# Altium PCB INVERTER.PcbDoc (continued)
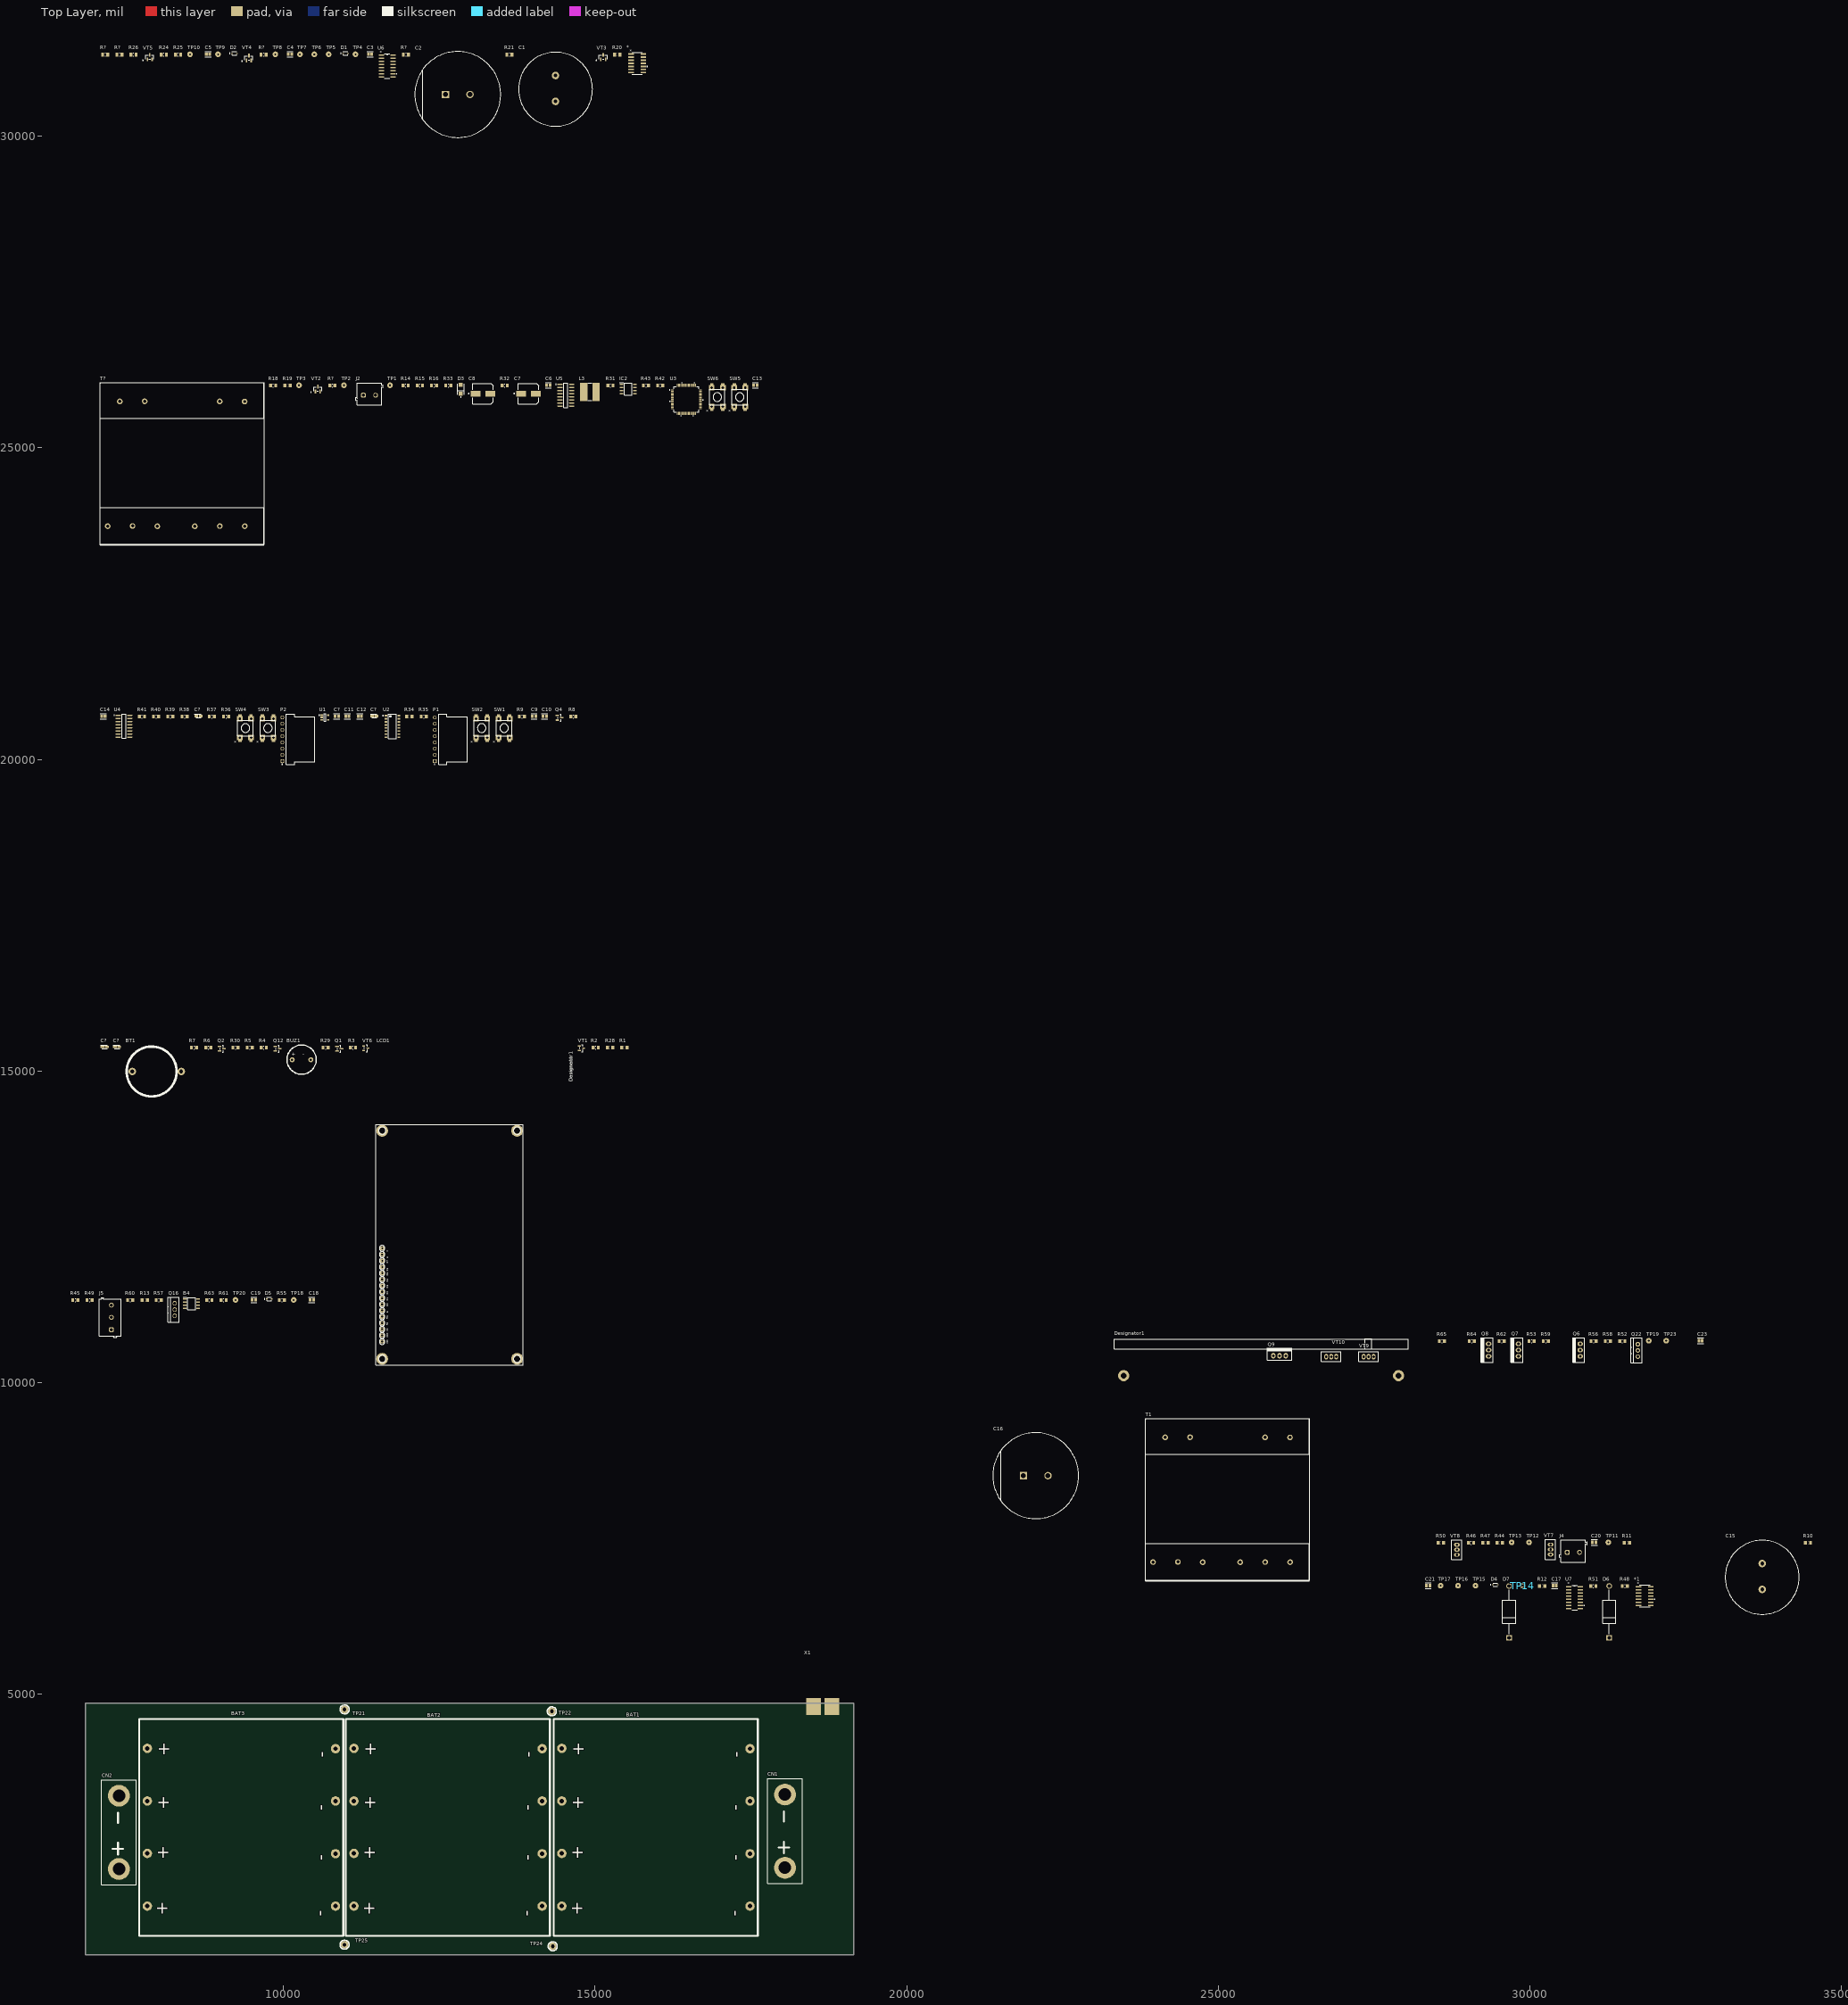
[diagram p0: Top Layer view]
## Components (designator, comment, footprint, x,y, rotation, side; value= is the part's Value field where it differs from the comment) (continued)
TP18 "Test_Point_PCB" Test_Point 10164.63,11330 r90 top
TP19 "Test_Point_PCB" Test_Point 31904.63,10675 r90 top
TP20 "Test_Point_PCB" Test_Point 9229.63,11330 r90 top
TP21 "Test_Point_PCB" TEST_POINT_CONN 10980,4760 r90 top
TP22 "Test_Point_PCB" TEST_POINT_CONN 14305,4730 r90 top
TP23 "Test_Point_PCB" Test_Point 32184.63,10675 r90 top
TP24 "Test_Point_PCB" TEST_POINT_CONN 14320,960 r0 top
TP25 "Test_Point_PCB" TEST_POINT_CONN 10980,985 r0 top
U1 "MIC5219-3_3YM5-TR" Microchip_SOT23-5LD-PL-1_MFG 10665,20675 r0 top
U2 "MC74HC595ADG" On_Semiconductor_751B-05_MFG 11745,20530 r0 top
U3 "STM32F405RGT6" LQFP64-10x10mm 16465,25780 r0 top
U4 "MC74HC595ADG" On_Semiconductor_751B-05_IPC_B 7440,20535 r0 top
U5 "MC74HC595ADG" On_Semiconductor_751B-05_IPC_B 14530,25845 r0 top
U6 "TL494ID" D16 11665,31125 r0 top
U7 "TL494ID" D16 30714.63,6555 r0 top
VT1 "BC857" On_Semiconductor_318-08_IPC_C 14780,15370 r0 top
VT2 "PMBTA06" SOT-23_ONS-M 10550,25945 r0 top
VT3 "MMBT2907" SOT-23_ONS 15130,31270 r0 top
VT4 "PMBTA06" SOT-23_ONS-M 9445,31255 r0 top
VT5 "MMBT2907" SOT-23_ONS 7855,31270 r0 top
VT6 "BC857" On_Semiconductor_318-08_IPC_C 11320,15370 r0 top
VT7 "BD139" BD139_TO-126_BEND 29684.63,7345 r90 top
VT8 "BD140" BD140_TO-126_BEND 28809.63,7320 r90 top
VT9 "BD139" BD139_TO-126_BEND 27430,11065 r0 top
VT10 "BD140" BD140_TO-126_BEND 26808,10437 r0 top
X1 "XT60-F" "XT60-F AMASS" 18650,4815 r0 top

## Footprints (in the part's own frame and the unit in brackets; to place one, negate y for a bottom-side part, rotate by r counter-clockwise, add the part's x,y. Pads: shape width x height; smd on the part's side, far side on the other; paste and mask are expansions set on the pad)
21700_BAT [mil]
  round 150 hole 70: 1(-465,830) 2(-465,-2190) 3(380,830) 4(375,-2190) 5(1220,830) 6(1220,-2190) 7(2065,830) 8(2060,-2190)
  silkscreen extent -940,-2315 2535,960, body extent -932,-2315 2532,953, height 858
61900811021 [mm] "2.54mm Male Left Angled Header Bottom Locking, 8p"
  rect 1.5x1.5 hole 1: 1(-8.89,7.45)
  round 1.5 hole 1: 2(-6.35,7.45) 3(-3.81,7.45) 4(-1.27,7.45) 5(1.27,7.45) 6(3.81,7.45) 7(6.35,7.45) 8(8.89,7.45)
  silkscreen extent -10.34,-5.82 10.33,7.62, body extent -10.17,-5.75 10.15,7.77, height 5.83
691101710002 [mm] "5,00mm - modular - blue - Horizontal entry with pressure clamp - 12,6mm height - 02p"
  rrect50% 1.95x1.95 hole 1.3: 1(-2.5,-0.5)
  round 1.95 hole 1.3: 2(2.5,-0.5)
  silkscreen extent -5.6,-4.5 5.6,4.5, body extent -5.6,-4.5 5.6,4.5, height 12.65
691101710003 [mm] "5,00mm - modular - blue - Horizontal entry with pressure clamp - 12,6mm height - 03p"
  rrect50% 1.95x1.95 hole 1.3: 1(-5,-0.5)
  round 1.95 hole 1.3: 2(0,-0.5) 3(5,-0.5)
  silkscreen extent -8.1,-4.5 8.1,4.5, body extent -8.1,-4.5 8.1,4.5, height 12.65
Batarey_connector [mil]
  round 350 hole 200: 1(20,-20) 2(1195,-20)
  silkscreen extent -235,-300 1450,260
BD139_TO-126_BEND [mil]
  oval 60x90 hole 40: 1(60,-645) 2(-20,-645) 3(-100,-645)
  silkscreen extent -178,-725 139,-562, body extent -177,-672 137,-530, height 917
BD140_TO-126_BEND [mil]
  oval 60x90 hole 40: 1(82,-17) 2(2,-17) 3(-78,-17)
  silkscreen extent -156,-97 161,66, body extent -155,-44 159,98, height 917
BUZZER [mil]
  round 80 hole 35: 1(-160,-95) 2(140,-95)
  silkscreen extent -245,-330 225,140, body extent -245,-331 227,141, height 374
"CAP 330uF 450V" [mil]
  round 120 hole 60: 9(355,-15) 10(355,-430)
  silkscreen extent -239,-829 949,359, body extent -239,-818 951,374, height 2040
CAPPM2014X140N [mm]
  rect 1.5x1.05 smd: 1(-0.9,0) 2(0.9,0)
  silkscreen extent -1.65,-0.67 1.02,0.67, body extent -1.02,-0.67 1.02,0.67, height 1.4
CR2032_BAT [mil]
  round 120 hole 60: 1(-310,0) 2(475,0)
  silkscreen extent -400,-400 400,400, body extent -432,-435 525,439, height 350
D14-M [mm]
  rect 2.27x0.558 smd paste+0 mask+0: 1(-2.514,3.81) 2(-2.514,2.54) 3(-2.514,1.27) 4(-2.514,0) 5(-2.514,-1.27) 6(-2.514,-2.54) 7(-2.514,-3.81) 8(2.514,-3.81) 9(2.514,-2.54) 10(2.514,-1.27) 11(2.514,0) 12(2.514,1.27) 13(2.514,2.54) 14(2.514,3.81)
  silkscreen extent -2.12,-4.5 4.16,4.5, body extent -3.1,-4.37 3.1,4.37, height 1.76
D16 [mil]
  rect 86x22 smd: 1(-93,175) 2(-93,125) 3(-93,75) 4(-93,25) 5(-93,-25) 6(-93,-75) 7(-93,-125) 8(-93,-175) 9(93,-175) 10(93,-125) 11(93,-75) 12(93,-25) 13(93,25) 14(93,75) 15(93,125) 16(93,175)
  silkscreen extent -43,-197 156,197, body extent -122,-197 122,197, height 69
Diodes_Inc._SOD323F_MFG [mm]
  rect 0.71x0.403 smd paste+0 mask+0: 1(-0.995,0) 2(0.995,0)
  silkscreen extent -2.05,-0.67 0.9,0.67, body extent -1.45,-0.77 1.45,0.77, height 0.25
KEMET_C0805C-DN_IPC_C [mil]
  rect 43.49x53.39 smd paste+0 mask+0: 1(-27.59,0) 2(27.59,0)
  silkscreen extent -49,-44 49,44, body extent -53,-32 53,32, height 10
LCD20x4 [mil]
  oval 60x80 hole 30: 1(-12460,-1353) 2(-12360,-1353) 3(-12260,-1353) 4(-12161,-1353) 5(-12060,-1353) 6(-11960,-1353) 7(-11860,-1353) 8(-11761,-1353) 9(-11660,-1353) 10(-11561,-1354) 11(-11460,-1353) 12(-11360,-1354) 13(-11261,-1354) 14(-11160,-1354) 15(-11061,-1353) 16(-10961,-1354)
  round 190 hole 100: GND(-12735,-3518) GND(-12735,-1354) GND(-9075,-3518) GND(-9075,-1354)
  silkscreen extent -12834,-3617 -8976,-1255, body extent -12834,-3617 -8976,-1255, height 705
LQFP64-10x10mm [mil]
  rect 47x12 smd paste+0 mask+0: 1(-226.38,147.64) 2(-226.38,127.95) 3(-226.38,108.27) 4(-226.38,88.58) 5(-226.38,68.9) 6(-226.38,49.21) 7(-226.38,29.53) 8(-226.38,9.84) 9(-226.38,-9.84) 10(-226.38,-29.53) 11(-226.38,-49.21) 12(-226.38,-68.9) 13(-226.38,-88.58) 14(-226.38,-108.27) 15(-226.38,-127.95) 16(-226.38,-147.64) 33(226.38,-147.64) 34(226.38,-127.95) 35(226.38,-108.27) 36(226.38,-88.58) 37(226.38,-68.9) 38(226.38,-49.21) 39(226.38,-29.53) 40(226.38,-9.84) 41(226.38,9.84) 42(226.38,29.53) 43(226.38,49.21) 44(226.38,68.9) 45(226.38,88.58) 46(226.38,108.27) 47(226.38,127.95) 48(226.38,147.64)
  rect 12x47 smd paste+0 mask+0: 17(-147.64,-226.38) 18(-127.95,-226.38) 19(-108.27,-226.38) 20(-88.58,-226.38) 21(-68.9,-226.38) 22(-49.21,-226.38) 23(-29.53,-226.38) 24(-9.84,-226.38) 25(9.84,-226.38) 26(29.53,-226.38) 27(49.21,-226.38) 28(68.9,-226.38) 29(88.58,-226.38) 30(108.27,-226.38) 31(127.95,-226.38) 32(147.64,-226.38) 49(147.64,226.38) 50(127.95,226.38) 51(108.27,226.38) 52(88.58,226.38) 53(68.9,226.38) 54(49.21,226.38) 55(29.53,226.38) 56(9.84,226.38) 57(-9.84,226.38) 58(-29.53,226.38) 59(-49.21,226.38) 60(-68.9,226.38) 61(-88.58,226.38) 62(-108.27,226.38) 63(-127.95,226.38) 64(-147.64,226.38)
  silkscreen extent -273,-270 270,270, body extent -236,-236 236,236, height 63
Microchip_SOT23-5LD-PL-1_MFG [mm]
  rect 1x0.66 smd paste+0 mask+0: 1(-1.3,0.95) 2(-1.3,0) 3(-1.3,-0.95) 4(1.3,-0.95) 5(1.3,0.95)
  silkscreen extent -2.47,-1.5 0.35,1.5, body extent -1.9,-1.6 1.9,1.6, height 0.25
MOSFET_BEND_rad [mil]
  oval 70x90 hole 45: 1(-95,-45) 2(5,-45) 3(105,-45)
  silkscreen extent -190,-115 200,75, body extent -190,-116 202,76, height 775
Nichicon_0_MFG [mm]
  rect 4x2.5 smd paste+0 mask+0: 1(-3.05,0) 2(3.05,0)
  silkscreen extent -5.92,-4.25 4.25,4.25, body extent -5.3,-4.5 5.3,4.5, height 0.25
On_Semiconductor_318-08_IPC_B [mm]
  rect 1.524x0.578 smd paste+0 mask+0: 1(-0.91,0.95)
  rrect100% 1.524x0.578 smd paste+0 mask+0: 2(-0.91,-0.95) 3(0.91,0)
  silkscreen extent -0.65,-1.45 0.65,1.45, body extent -1.92,-1.7 1.92,1.7, height 0.25
On_Semiconductor_318-08_IPC_C [mm]
  rect 1.224x0.538 smd paste+0 mask+0: 1(-0.86,0.95)
  rrect100% 1.224x0.538 smd paste+0 mask+0: 2(-0.86,-0.95) 3(0.86,0)
  silkscreen extent -0.65,-1.45 0.65,1.45, body extent -1.57,-1.55 1.57,1.55, height 0.25
On_Semiconductor_751B-05_IPC_B [mil]
  rect 84.81x22.32 smd paste+0 mask+0: 1(-93.55,175)
  rrect100% 84.81x22.32 smd paste+0 mask+0: 2(-93.55,125) 3(-93.55,75) 4(-93.55,25) 5(-93.55,-25) 6(-93.55,-75) 7(-93.55,-125) 8(-93.55,-175) 9(93.55,-175) 10(93.55,-125) 11(93.55,-75) 12(93.55,-25) 13(93.55,25) 14(93.55,75) 15(93.55,125) 16(93.55,175)
  silkscreen extent -163,-195 31,195, body extent -146,-205 146,205, height 10
On_Semiconductor_751B-05_MFG [mm]
  rect 1.12x0.58 smd paste+0 mask+0: 1(-2.64,4.445) 2(-2.64,3.175) 3(-2.64,1.905) 4(-2.64,0.635) 5(-2.64,-0.635) 6(-2.64,-1.905) 7(-2.64,-3.175) 8(-2.64,-4.445) 9(2.64,-4.445) 10(2.64,-3.175) 11(2.64,-1.905) 12(2.64,-0.635) 13(2.64,0.635) 14(2.64,1.905) 15(2.64,3.175) 16(2.64,4.445)
  silkscreen extent -3.87,-5 1.63,5, body extent -3.3,-5.25 3.3,5.25, height 0.25
PCBComponent_1 [mil]
  round 180 hole 90: 1(-2020,480) 2(2390,480)
  silkscreen extent -2177,-113 2543,54, body extent -2179,-98 2545,644, height 1321
SOIC127P600X175-8N [mm]
  rect 1.525x0.65 smd: 1(-2.712,1.905) 2(-2.712,0.635) 3(-2.712,-0.635) 4(-2.712,-1.905) 5(2.712,-1.905) 6(2.712,-0.635) 7(2.712,0.635) 8(2.712,1.905)
  silkscreen extent -3.47,-2.45 1.6,2.58, body extent -3,-2.45 3,2.45, height 1.75
SOT-23_ONS [mil]
  rect 22.36x55.56 smd paste+0 mask+0: 1(-37.5,-38) 2(37.5,-38) 3(0,38)
  silkscreen extent -115,-57 65,32, body extent -60,-52 60,52, height 44
SOT-23_ONS-M [mil]
  rect 23.94x67.37 smd paste+0 mask+0: 1(-37.5,-39.97) 2(37.5,-39.97) 3(0,39.97)
  silkscreen extent -115,-57 65,32, body extent -60,-52 60,52, height 44
SW4_FSM-5P23_TEC [mil]
  rect 83x55 smd paste+0 mask+0: 1(-179,88) 2(179,88) 3(-179,-88) 4(179,-88)
  rect 90x90 hole 40: 1(-150,90) 2(150,90) 3(-150,-90) 4(150,-90)
  silkscreen extent -123,-123 123,123, body extent -152,-118 152,118, height 669
Test_Point [mil]
  round 90 hole 30 unplated paste+4 mask+4: 1(0,0)
TEST_POINT_CONN [mil]
  round 120 / inner round 90 / far side round 90 hole 60 unplated paste+4 mask+4: 1(0,0)
  silkscreen extent -72,-72 72,72
TO-220 [mm]
  round 1.8 hole 1.2: 1(-2.54,0) 2(0,0)
  oct 1.8x1.8 hole 1.2: 3(2.54,0)
  silkscreen extent -5.08,-1.75 5.08,2.79, body extent -5.12,-1.74 5.08,2.76, height 25.06
Transformer [mil]
  round 90 hole 50: 1(2829,1446) 2(3229,1448) 3(4432,1446) 4(4832,1444) 5(2634,-555) 6(3033,-553) 7(4433,-554) 8(4834,-556) 9(3431,-557) 10(4032,-557)
  silkscreen extent 2511,-854 5146,1747, body extent 2515,-858 5149,1744, height 2024
Vishay_CRCW0805-e3_IPC_A [mil]
  rect 47.5x59.38 smd paste+0 mask+0: 1(-41.37,0) 2(41.37,0)
  silkscreen extent -3,-25 3,25, body extent -85,-49 85,49, height 10
Vishay_MAL219390101E3_0 [mm]
  rect 3x3 hole 2 paste-1000 mask+0: 1(-5,0)
  round 3 hole 2 paste-1000 mask+0: 2(5,0)
  silkscreen extent -17.5,-17.5 17.5,17.5
Vishay_Semiconductor_0_Recommended_Land_Pattern [mm]
  rect 2.3x2.3 hole 1.5 paste-1000 mask+0: 1(-10.558,0)
  round 2.3 hole 1.5 paste-1000 mask+0: 2(10.558,0)
  silkscreen extent -9.01,-2.65 9.01,2.65, body extent -11.81,-2.75 11.81,2.75, height 0.25
Vishay_SS16-E3-61T_0 [mm]
  rect 1.7x1.68 smd paste+0 mask+0: 1(-1.79,0) 2(1.79,0)
  silkscreen extent -3.32,-1.33 2.12,1.33, body extent -2.74,-1.4 2.74,1.4, height 2.29
WE-PD2-L [mm] "SMD Inductor, 2-Leads, Body 7.8 x 7.0 mm"
  rect 3x7.5 smd: 1(-2.5,0) 2(2.5,0)
  silkscreen extent -0.87,-3.5 0.87,3.5, body extent -3.81,-3.5 3.81,3.5, height 4.89
"XT60-F AMASS" [mm] "Вилка; питания DC; XT60; \"мама\"; PIN: 2; на провод; под пайку; 30А"
  rect 6x7 smd: 1(-3.75,-0.25) 2(3.75,-0.25)
  body extent -7.75,-0.75 7.75,20.15, height 6.25

## Part data
B4: "Gate Drivers HI LO SIDE DRVR 600V 130mA 50ns", Manufacturer_Name=Infineon, Mouser Part Number=942-IR2101SPBF, Arrow Part Number=IR2101SPBF, Arrow Price/Stock=https://www.arrow.com/en/products/ir2101spbf/infineon-technologies-ag?region=europe, Datasheet Link=https://www.infineon.com/cms/en/product/power/gate-driver-ics/?, Geometry.Height=1.75mm, Manufacturer_Part_Number=IR2101SPBF, Mouser Price/Stock=https://www.mouser.co.uk/ProductDetail/Infineon-Technologies/IR2101SPBF?qs=dQmlx5f5cRK0Gls2VgsKEQ%3D%3D
C1 C2 C15 C16: "CAP 220µF 500V Aluminum Capacitors Radial, Can - Snap-In 900 mOhm 6000 Hrs @ 105°C", Capacitance=220μF, Digikey Part Number=4569PHBK-ND, Manufacturer=Vishay, Mouser Part Number=594-MAL219390101E3, Package=RADIAL, Part Number=MAL219390101E3, Temperature="-25°C to +105°C", Temperature Range High=+105°C, Temperature Range Low=-25°C, Tolerance=±20%, Voltage=500V, ComponentLink1Description=Upverter, ComponentLink1URL=https://upverter.com/upn/revision/6e31225a6b8864ee/, ComponentLink2Description=Datasheet, ComponentLink2URL=https://upverter.com/datasheet/b964967ce70ad5180ed35a6206109933e2b1bb55.pdf, Digikey Description="CAP 220µF 500V Aluminum Capacitors Radial, Can - Snap-In 900 mOhm 6000 Hrs @ 105°C", helpURL=https://upverter.com/upn/revision/6e31225a6b8864ee/, Ipc Land Pattern Name=CAPRD1000W120D3500H3000, Lead Free=yes, Mounting Type="Through Hole", Price=7.89477511745, RoHS=TRUE, Supplier 1=Digi-Key, Supplier 2=Mouser, Supplier Part Number 1=4569PHBK-ND, Supplier Part Number 2=594-MAL219390101E3
C3 C6 C9 C10 C11 C12 C13 C14 C17 C21 C?: library part C0805C104J4RACTU
C4 C5 C18 C19 C20 C23: library part C0805C104J4RACTU, "100pF"
C7 C8: library part UWX1E101MCL1GB
C? C?: "Capacitor Polarised", Manufacturer_Name=AVX, Mouser Part Number=581-TAJR225K016RNJ, Arrow Part Number=TAJR225K016RNJ, Arrow Price/Stock=https://www.arrow.com/en/products/tajr225k016rnj/avx, Datasheet Link=http://www.farnell.com/datasheets/1680476.pdf, Height=1.2mm, Manufacturer_Part_Number=TAJR225K016RNJ, Mouser Price/Stock=https://www.mouser.co.uk/ProductDetail/AVX/TAJR225K016RNJ/?qs=vQJa%252BfcOt8MJtnsQ1zkKAg%3D%3D
C? C?: library part TAJR225K016RNJ, "Capacitor Polarised", Manufacturer_Name=AVX, Mouser Part Number=581-TAJR225K016RNJ, Arrow Part Number=TAJR225K016RNJ, Arrow Price/Stock=https://www.arrow.com/en/products/tajr225k016rnj/avx, Datasheet Link=http://www.farnell.com/datasheets/1680476.pdf, Height=1.2mm, Manufacturer_Part_Number=TAJR225K016RNJ, Mouser Price/Stock=https://www.mouser.co.uk/ProductDetail/AVX/TAJR225K016RNJ/?qs=vQJa%252BfcOt8MJtnsQ1zkKAg%3D%3D
CN1 CN2: "Batarey_connection"
D3: "Diode Schottky 60V 1A Surface Mount DO-214AC (SMA)", Current - Average Rectified (Io)=1A, Current - Reverse Leakage @ Vr="200µA @ 60V", Digikey Part Number=SS16-E3/61TGICT-ND, Manufacturer=Vishay, Mouser Part Number=625-SS16-E3, Package=DO-214AC, Part Number=SS16-E3/61T, Temperature="-65°C to +150°C", Temperature Range High=+150°C, Temperature Range Low=-65°C, Voltage - DC Reverse (Vr) (Max)=60V, Voltage - Forward (Vf) (Max) @ If="750mV @ 1A", ComponentLink1Description=Upverter, ComponentLink1URL=https://upverter.com/upn/revision/46fb9ccadf7e3052/, ComponentLink2Description=Datasheet, ComponentLink2URL=http://www.vishay.com/docs/88746/ss12.pdf, Digikey Description="Diode Schottky 60V 1A Surface Mount DO-214AC (SMA)", helpURL=https://upverter.com/upn/revision/46fb9ccadf7e3052/, Lead Free=yes, Price=0.180579591464, RoHS=TRUE, Supplier 1=Digi-Key, Supplier 2=Mouser, Supplier Part Number 1=SS16-E3/61TGICT-ND, Supplier Part Number 2=625-SS16-E3
IC2: "Integrated Circuit", Manufacturer_Name=STMicroelectronics, Mouser Part Number=511-MC34063ABD-TR, Arrow Part Number=MC34063ABD-TR, Arrow Price/Stock=https://www.arrow.com/en/products/mc34063abd-tr/stmicroelectronics?region=nac, Datasheet Link=http://www.st.com/st-web-ui/static/active/en/resource/technical/document/datasheet/CD00001232.pdf, Height=1.75mm, Manufacturer_Part_Number=MC34063ABD-TR, Mouser Price/Stock=https://www.mouser.co.uk/ProductDetail/STMicroelectronics/MC34063ABD-TR?qs=PGXP4M47uW4YbbaNPuFQGA%3D%3D
J2 J4: "WR-TBL Series 101 Horizontal Entry Modular, Through Hole, pitch 5mm, 2p", Manufacturer="Wurth Elektronik", Operating Temperature Max=105°C, Operating Temperature Min=-40°C, Rated Current=16A, Working Voltage=250V, Application="Pressure Clamp", Category="Terminal Blocks", ComponentLink1Description="Manufacturer Link", ComponentLink1URL=https://www.we-online.com/redexpert/article/691101710002?ad, ComponentLink2Description=Datasheet, ComponentLink2URL=https://www.we-online.com/redexpert/spec/691101710002?ad, Manufacturer Part Number=691101710002, Match Code=WR-TBL, Modularity=Yes, Mount="Through Hole", Orientation=Horizontal, Packaging=Box, PCB/Cable/Panel=PCB, Pin Number=2, Pitch=5mm
J5: "WR-TBL Series 101 Horizontal Entry Modular, Through Hole, pitch 5mm, 3p", Manufacturer="Wurth Elektronik", Operating Temperature Max=105°C, Operating Temperature Min=-40°C, Rated Current=16A, Working Voltage=250V, Application="Pressure Clamp", Category="Terminal Blocks", ComponentLink1Description="Manufacturer Link", ComponentLink1URL=https://www.we-online.com/redexpert/article/691101710003?ad, ComponentLink2Description=Datasheet, ComponentLink2URL=https://www.we-online.com/redexpert/spec/691101710003?ad, Manufacturer Part Number=691101710003, Match Code=WR-TBL, Modularity=Yes, Mount="Through Hole", Orientation=Horizontal, Packaging=Box, PCB/Cable/Panel=PCB, Pin Number=3, Pitch=5mm
L3: "SMD-Power Inductor WE-PD4, L = 100 µH", Inductance="100 ÂµH", ComponentLink1Description="Manufacturer Link", ComponentLink1URL=http://www.we-online.com, ComponentLink2Description=Datasheet, ComponentLink2URL=http://www.we-online.de/katalog/media/pdf/7445720.pdf, DatasheetVersion="ver 1, Oct-2004", PackageDescription="SMD Inductor, 2-Leads, Body 22.0 x 15.0 mm", PackageReference=WE-PD4-XL, PackageVersion=2004, PartNumber=7445720
LCD1: "20x4"
P1 P2: "WR-WTB THT Male Left Angled Bottom Locking Header, pitch 2.54mm, 8p", Contact Resistance=20mOhm, Operating Temperature="-40 to +105degC", Rated Current=3A, Withstanding Voltage=1000VAC, Working Voltage=250VAC, ComponentLink1Description=Manufacturer, ComponentLink1URL=http://www.we-online.de, ComponentLink2Description=Datasheet, ComponentLink2URL=https://www.we-online.com/catalog/datasheet/61900811021.pdf, Gender=Male, Mounting Technology=THT, Packaging=Bag, Part Number=61900811021, Pin Number=8, Pitch=2.54mm, Published Date="January 2020", Publisher="Wurth Elektronik", Type="Right Angled Bottom Locking"
R1 R2 R3 R4 R5 R6 R7 R8 R9 R10 R11 R12 R13 R14 R15 R16 R18 R19 R20 R21 R24 R25 R26 R28 R29 R30 R31 R32 R33 R34 R35 R36 R37 R38 R39 R40 R41 R42 R43 R44 R45 R46 R47 R48 R49 R50 R51 R52 R53 R55 R56 R57 R58 R59 R60 R61 R62 R63 R64 R65 R? R? R? R? R?: library part CRCW08050000Z0EA
SW1 SW2 SW3 SW4 SW5 SW6: "No Description Available", Mfr_Name="TE Connectivity", Copyright="Copyright (C) 2022 Ultra Librarian. All rights reserved.", Manufacturer_Part_Number=4-1437565-2, RefDes=RefDes, Type=DEV
T1 T?: "Flyback Transformer suitable or LT3573/ LT3574/ LT3575/ LT3748 WE-FB, Ui=36V", Manufacturer="Wuerth Elektronik", ComponentLink1Description="Manufacturer URL", ComponentLink1URL=http://www.we-online.com, ComponentLink2Description=Datasheet, ComponentLink2URL=http://katalog.we-online.de/pbs/datasheet/750311457.pdf, PackageReference=EP13, PartNumber=750311457, Ui=36V
TP1 TP2 TP3 TP4 TP5 TP6 TP7 TP8 TP9 TP10 TP11 TP12 TP13 TP14 TP15 TP16 TP17 TP18 TP19 TP20 TP21 TP22 TP23 TP24 TP25: library part TP_PCB?, "Test_Point"
U3: "No Description Available", Mfr_Name=STMicroelectronics, Copyright="Copyright (C) 2022 Ultra Librarian. All rights reserved.", Manufacturer_Part_Number=STM32F405RGT6, RefDes=RefDes, Type=DEV
U6 U7: "Pulse-Width-Modulation Control Circuit with Voltage Control, 45 % Duty Cycle, -40 to +85 degC, 16-pin SOIC (D), Green (RoHS & no Sb/Br)", Alternate Manufacturer="Texas Instruments", Alternate PartNumber=Equivalent, Frequency(Max)(kHz)=300, Rating=Military, Supplier Part Number 1=296-10193-5-ND, Code_JEDEC=MS-012AC, ComponentLink1Description=Datasheet, ComponentLink1URL=http://www.ti.com/general/docs/lit/getliterature.tsp?genericPartNumber=TL494&fileType=pdf, Control Method=Voltage, DatasheetVersion=SLVS074E, Duty Cycle(Max)(%)=45, Eco-Plan="Green (RoHS & no Sb/Br)", Manufacturer="Texas Instruments", MountType=SMT, PackageDescription="16-Pin Plastic Small Outline Integrated Circuit, 9.9 x 3.9 mm, Pitch 1.27 mm Pitch", PackageReference=D0016A, PackageVersion="revM, Jun-2011", PartNumber=TL494ID, Regulated Outputs(#)=2, SubFamily="PWM Controller", Supplier 1=Digi-Key, Supplier 2=Farnell, Supplier 3=Newark, Supplier 4=Mouser, Supplier Part Number 2=1491489, Supplier Part Number 3=52F2762, Supplier Part Number 4=595-TL494ID, Topology="Boost, Buck, Flyback, Forward, Full-Bridge, Half-Bridge, Push-Pull"
VT3 VT5: library part MMBT2907ALT1G, "No Description Available", Mfr_Name=onsemi, Copyright="Copyright (C) 2022 Ultra Librarian. All rights reserved.", Manufacturer_Part_Number=MMBT2907ALT1G, RefDes=RefDes, Type=DEV
X1: "Разъем", ComponentDescription="Разъём, XT60-F", ComponentTypе=Разъём

## Nets (pads, with @x,y where several pads share a name; then routed paths per layer and width w, separated by ;. In a path a pad name is that pad's centre, name@x,y a point inside that pad or via, vN(x,y) a via of type N, cw(c..) or ccw(c..) an arc to the next point about the centre after c; other vN are vias at no path point)
3.3V: C?.1@11424.57,20700 U1.5
+3,3V: C9.2 C10.1 C11.2 C12.1 C13.2 C14.1 SW1.1 SW1.2 SW2.3 SW2.4 SW3.1 SW3.2 SW4.3 SW4.4 SW5.1 SW5.2 SW6.3 SW6.4
+5: C8.2 L3.1 LCD1.15 R1.1 R2.1 R28.1 R32.1 U1.1 U1.3 U2.10 U2.16 U4.10 U4.16 U5.10 U5.16 VT1.2 VT6.2
+12: T1.2 T1.3 T?.2 T?.3 U6.8 U6.11 U6.12 U7.8 U7.11 U7.12 VT2.3 VT4.3 VT7.2 VT9.2
GND: B4.4 BT1.1 C4.1 C5.1 C6.2 C7.1 C8.1 C18.1 C19.1 C?.1@10827.41,20695 C?.2@7165.43,15390 C?.2@7365.43,15390 C?.2@11495.43,20700 IC2.4 J5.2 LCD1.1 LCD1.5 Q1.2 Q2.2 Q4.2 Q6.3 Q7.3 Q8.3 Q9.3 Q12.2 Q22.3 R4.1 R6.1 R9.1 R14.1 R15.1 R16.1 R21.1 R26.1 R30.1 R33.1 R34.1 R35.1 R39.1 R40.1 R42.1 R43.1 R45.1 R49.1 R50.1 R59.1 R63.1 R65.1 R?.1@7098.63,31310 U1.2 U2.8 U2.13 U3.12 U3.18 U3.63 U4.8 U4.13 U5.8 U5.13 U6.1 U6.7 U6.16 U7.7 U7.16 VT3.3 VT5.3 VT8.2 VT10.2
Net*1_1: *1.1 D4.2
Net*1_7: *1.7 D5.2
Net*_1: *.1 D1.2
Net*_7: *.7 D2.2
NetB4_1: B4.1
NetB4_2: B4.2 R45.2
NetB4_3: B4.3 R49.2
NetB4_5: B4.5 R60.2
NetB4_6: B4.6 R13.2
NetB4_7: B4.7 R57.2
NetB4_8: B4.8
NetBAT1_1: BAT1.1 BAT1.3 BAT1.5 BAT1.7 BAT2.2 BAT2.4 BAT2.6 BAT2.8 TP22.1 TP24.1
NetBAT1_2: BAT1.2 BAT1.4 BAT1.6 BAT1.8 CN1.2 CN2.2 X1.2
NetBAT2_1: BAT2.1 BAT2.3 BAT2.5 BAT2.7 BAT3.2 BAT3.4 BAT3.6 BAT3.8 TP21.1 TP25.1
NetBAT3_1: BAT3.1 BAT3.3 BAT3.5 BAT3.7 CN1.1 CN2.1 X1.1
NetBT1_2: BT1.2 U3.1
NetBUZ1_1: BUZ1.1 R2.2
NetBUZ1_2: BUZ1.2 Q2.3
NetC1_1: 
NetC1_2: 
NetC2_1: C2.1
NetC2_2: C2.2
NetC3_1: C3.1 R20.2
NetC3_2: C3.2 T?.1 TP5.1
NetC4_2: C4.2 TP10.1 U6.5
NetC6_1: C6.1 IC2.3
NetC7_2: C7.2 IC2.6 R31.2
NetC9_1: C9.1 R34.2 SW2.1 SW2.2
NetC10_2: C10.2 R35.2 SW1.3 SW1.4
NetC11_1: C11.1 R39.2 SW4.1 SW4.2
NetC12_2: C12.2 R40.2 SW3.3 SW3.4
NetC13_1: C13.1 R42.2 SW6.1 SW6.2
NetC14_2: C14.2 R43.2 SW5.3 SW5.4
NetC15_1: C16.1 R11.2
NetC15_2: C16.2 R10.2
NetC17_1: C17.1 R48.2
NetC17_2: C17.2 Q6.2 Q7.2 Q8.2 Q9.2 T1.1 TP15.1
NetC18_2: C18.2 TP20.1 U7.5
NetC20_1: C20.1 R44.2 R47.1 R51.2 R55.2 R61.2 R63.2
NetC20_2: C20.2 R47.2 VT7.1 VT8.1
NetC21_1: C21.1 R12.1 U7.3
NetC23_1: C23.1 R52.2 R53.2 R58.1 R62.2 R64.2 R65.2
NetC23_2: C23.2 R58.2 VT9.1 VT10.1
NetC?_1: C?.1@7094.57,15390 U3.47
NetC?_2: C?.2@10882.59,20695 U1.4
NetD1_1: D1.1 D2.1 TP6.1 U6.4
NetD3_1: D3.1 IC2.2 L3.2
NetD3_2: D3.2 IC2.5 R32.2 R33.2
NetD4_1: D4.1 D5.1 TP16.1 U7.4
NetD6_1: D6.1 D7.1
NetD6_2: D6.2 T1.8
NetD7_2: D7.2 T1.5
NetIC2_1: IC2.1 IC2.7 IC2.8 R31.1
NetJ3_2: 
NetJ3_3: 
NetJ3_4: 
NetJ3_5: 
NetJ5_1: J5.1
NetJ5_3: J5.3
NetL4_1: Q16.3 Q22.2 R13.1
NetLCD1_2: LCD1.2 VT6.3
NetLCD1_3: LCD1.3 VT1.3
NetLCD1_4: LCD1.4 U2.1
NetLCD1_6: LCD1.6 U2.2
NetLCD1_7: LCD1.7 U2.3
NetLCD1_8: LCD1.8 U2.4
NetLCD1_9: LCD1.9 U2.5
NetLCD1_10: LCD1.10 U2.6
NetLCD1_16: LCD1.16 R7.1
NetLED1_1: R36.2
NetLED2_1: R37.2
NetLED3_1: R38.2
NetLED4_1: R41.2
NetQ1_1: Q1.1 R3.1 R4.2
NetQ1_3: Q1.3 R1.2 VT1.1
NetQ2_1: Q2.1 R5.1 R6.2
NetQ4_1: Q4.1 R8.2 R9.2
NetQ4_3: Q4.3 R7.2
NetQ6_1: Q6.1 R52.1 TP23.1
NetQ7_1: Q7.1 R53.1
NetQ8_1: Q8.1 R62.1
NetQ9_1: Q9.1 R64.1
NetQ10_1: R?.1@10743.63,26000 TP2.1
NetQ10_2: R20.1 T?.4 TP1.1
NetQ11_3: 
NetQ12_1: Q12.1 R29.1 R30.2
NetQ12_3: Q12.3 R28.2 VT6.1
NetQ13_1: R44.1 TP12.1
NetQ13_2: R48.1 T1.4 TP11.1
NetQ14_1: R51.1
NetQ15_1: R55.1
NetQ16_1: Q16.1 R57.1
NetQ20_1: R61.1
NetQ22_1: Q22.1 R60.1
NetQ?_1: R?.1@7328.63,31310
NetR3_2: R3.2 U3.20
NetR5_2: R5.2 U2.15
NetR8_1: R8.1 U3.17
NetR10_1: R10.1 R11.1
NetR14_2: R14.2 U5.14
NetR15_2: R15.2 U2.11 U4.11 U5.11
NetR16_2: R16.2 U2.12 U4.12 U5.12
NetR18_1: R18.1 R21.2 TP3.1 VT2.1 VT3.1
NetR18_2: R18.2 TP4.1 U6.9
NetR19_2: R19.2 VT2.2 VT3.2
NetR23_1: U6.6
NetR24_1: R24.1 R26.2 TP9.1 VT4.1 VT5.1
NetR24_2: R24.2 TP7.1 U6.10
NetR25_2: R25.2 VT4.2 VT5.2
NetR29_2: R29.2 U2.7
NetR36_1: R36.1 U4.15
NetR37_1: R37.1 U4.1
NetR38_1: R38.1 U4.2
NetR41_1: R41.1 U4.3
NetR46_1: R46.1 R50.2 TP13.1 VT7.3 VT8.3
NetR46_2: R46.2 TP14.1 U7.9
NetR54_1: U7.6
NetR56_1: R56.1 R59.2 TP19.1 VT9.3 VT10.3
NetR56_2: R56.2 TP17.1 U7.10
NetR?_2: R?.2
NetT1_6: T1.6 T1.7
NetU2_14: U2.14 U4.9
NetU4_14: U4.14 U5.9
NetU5_1: U5.1
NetU5_15: U5.15
"VCC +320": Q16.2
Vref: C5.2 C19.2 R12.2 U6.2 U6.13 U6.14 U6.15 U7.2 U7.13 U7.14 U7.15
pads on no net: *1.2 *1.3 *1.4 *1.5 *1.6 *1.8 *1.9 *1.10 *1.11 *1.12 *1.13 *1.14 *.2 *.3 *.4 *.5 *.6 *.8 *.9 *.10 *.11 *.12 *.13 *.14 C1.9 C1.10 C15.9 C15.10 C21.2 C?.1@7294.57,15390 C?.1@8599.57,20700 C?.2@8670.43,20700 Designator1.1 Designator1.2 J2.1 J2.2 J4.1 J4.2 LCD1.11 LCD1.12 LCD1.13 LCD1.14 LCD1.GND P1.1 P1.2 P1.3 P1.4 P1.5 P1.6 P1.7 P1.8 P2.1 P2.2 P2.3 P2.4 P2.5 P2.6 P2.7 P2.8 R19.1 R25.1 R?.1@9638.63,31310 R?.1@11923.63,31310 T1.9 T1.10 T?.5 T?.6 T?.7 T?.8 T?.9 T?.10 TP8.1 TP18.1 U2.9 U3.2 U3.3 U3.4 U3.5 U3.6 U3.7 U3.8 U3.9 U3.10 U3.11 U3.13 U3.14 U3.15 U3.16 U3.19 U3.21 U3.22 U3.23 U3.24 U3.25 U3.26 U3.27 U3.28 U3.29 U3.30 U3.31 U3.32 U3.33 U3.34 U3.35 U3.36 U3.37 U3.38 U3.39 U3.40 U3.41 U3.42 U3.43 U3.44 U3.45 U3.46 U3.48 U3.49 U3.50 U3.51 U3.52 U3.53 U3.54 U3.55 U3.56 U3.57 U3.58 U3.59 U3.60 U3.61 U3.62 U3.64 U4.4 U4.5 U4.6 U4.7 U5.2 U5.3 U5.4 U5.5 U5.6 U5.7 U6.3 U7.1

## Silkscreen, mask and mechanical layers (free items; w line width, h text height)
Mechanical 1:
  the board outline again, w10

## Dimensions
19150,4860 to 19150,825 on Top Overlay

## Text inside footprints (layer, text, board x,y; h text height)
*1: Mechanical 13 "*" at 31763.63,6699 h50; Top Overlay "*" at 31718.16,6746.97 h50
BAT1: Top Overlay "-" at 17349.97,3990 h200 r90; Top Overlay "-" at 17339.97,3135 h200 r90; Top Overlay "-" at 17334.97,2330 h200 r90; Top Overlay "-" at 17324.97,1440 h200 r90; Top Overlay "+" at 14818.32,4005 h200 r90; Top Overlay "+" at 14808.32,3150 h200 r90; Top Overlay "+" at 14803.32,2345 h200 r90; Top Overlay "+" at 14793.32,1455 h200 r90; Bottom Overlay "-" at 17309.97,3990 h200 r90; Bottom Overlay "-" at 17294.97,2330 h200 r90; Bottom Overlay "-" at 17284.97,1440 h200 r90; Bottom Overlay "-" at 17299.97,3135 h200 r90; Bottom Overlay "+" at 14838.32,4020 h200 r90; Bottom Overlay "+" at 14828.32,3165 h200 r90; Bottom Overlay "+" at 14813.32,1470 h200 r90; Bottom Overlay "+" at 14823.32,2360 h200 r90
BAT2: Top Overlay "-" at 14014.97,3990 h200 r90; Top Overlay "-" at 14004.97,3135 h200 r90; Top Overlay "-" at 13999.97,2330 h200 r90; Top Overlay "-" at 13989.97,1440 h200 r90; Top Overlay "+" at 11483.32,4005 h200 r90; Top Overlay "+" at 11473.32,3150 h200 r90; Top Overlay "+" at 11468.32,2345 h200 r90; Top Overlay "+" at 11458.32,1455 h200 r90; Bottom Overlay "-" at 13974.97,3990 h200 r90; Bottom Overlay "-" at 13959.97,2330 h200 r90; Bottom Overlay "-" at 13949.97,1440 h200 r90; Bottom Overlay "-" at 13964.97,3135 h200 r90; Bottom Overlay "+" at 11503.32,4020 h200 r90; Bottom Overlay "+" at 11493.32,3165 h200 r90; Bottom Overlay "+" at 11478.32,1470 h200 r90; Bottom Overlay "+" at 11488.32,2360 h200 r90
BAT3: Top Overlay "-" at 10699.97,3990 h200 r90; Top Overlay "-" at 10689.97,3135 h200 r90; Top Overlay "-" at 10684.97,2330 h200 r90; Top Overlay "-" at 10674.97,1440 h200 r90; Top Overlay "+" at 8168.32,4005 h200 r90; Top Overlay "+" at 8158.32,3150 h200 r90; Top Overlay "+" at 8153.32,2345 h200 r90; Top Overlay "+" at 8143.32,1455 h200 r90; Bottom Overlay "-" at 10659.97,3990 h200 r90; Bottom Overlay "-" at 10644.97,2330 h200 r90; Bottom Overlay "-" at 10634.97,1440 h200 r90; Bottom Overlay "-" at 10649.97,3135 h200 r90; Bottom Overlay "+" at 8188.32,4020 h200 r90; Bottom Overlay "+" at 8178.32,3165 h200 r90; Bottom Overlay "+" at 8163.32,1470 h200 r90; Bottom Overlay "+" at 8173.32,2360 h200 r90
BUZ1: Top Overlay "+    -" at 10130,15245 h60
LCD1: Top Overlay "K" at 11682,12102 h28.7 r90; Top Overlay "A" at 11682,11995 h28.7 r90; Top Overlay "D7" at 11682.45,11920.29 h28.7 r90; Top Overlay "D6" at 11681,11788 h28.7 r90; Top Overlay "D5" at 11682.45,11720.29 h28.7 r90; Top Overlay "D4" at 11682.45,11620.29 h28.7 r90; Top Overlay "D3" at 11682.45,11520.29 h28.7 r90; Top Overlay "D2" at 11682.45,11420.29 h28.7 r90; Top Overlay "D1" at 11682.45,11320.29 h28.7 r90; Top Overlay "D0" at 11682.45,11220.29 h28.7 r90; Top Overlay "E" at 11682.45,11120.29 h28.7 r90; Top Overlay "RW" at 11682.45,11020.29 h28.7 r90; Top Overlay "RS" at 11682.45,10920.29 h28.7 r90; Top Overlay "VO" at 11682.45,10820.29 h28.7 r90; Top Overlay "VDD" at 11682.45,10720.29 h28.7 r90; Top Overlay "VSS" at 11682.45,10620.29 h28.7 r90; Top Overlay "Designator1" at 14640,14830 h60 r90; Top Overlay "Comment" at 14640,14830 h60 r90
SW1: Mechanical 13 "*" at 13486.5,20389.5 h50 r90; Top Overlay "*" at 13415,20267.5 h50 r90
SW2: Mechanical 13 "*" at 13126.5,20389.5 h50 r90; Top Overlay "*" at 13055,20267.5 h50 r90
SW3: Mechanical 13 "*" at 9696.5,20389.5 h50 r90; Top Overlay "*" at 9625,20267.5 h50 r90
SW4: Mechanical 13 "*" at 9336.5,20389.5 h50 r90; Top Overlay "*" at 9265,20267.5 h50 r90
SW5: Mechanical 13 "*" at 17266.5,25699.5 h50 r90; Top Overlay "*" at 17195,25577.5 h50 r90
SW6: Mechanical 13 "*" at 16906.5,25699.5 h50 r90; Top Overlay "*" at 16835,25577.5 h50 r90
U6: Mechanical 13 "*" at 11549.5,31317 h50; Top Overlay "*" at 11549.5,31317 h50
U7: Mechanical 13 "*" at 30599.13,6747 h50; Top Overlay "*" at 30599.13,6747 h50